# Allegro board 8880F5-0824_updates.brd (continued)
## Routing (per net, layer and track width the routed paths; a pad name or vN(x,y) marks a point on that pad's centre or on a via; arc(x,y) is an arc through that point) (continued)
D11105: length 833.7
  TOP w0.086: SITE2.79 343.98,249.63 344.06,249.71 349.2,249.71 350.02,250.53 355.8,250.53 v1(356.24,250.09)
  L07_SIGNAL w0.071: v1(416.45,284.16) 416.92,284.63 416.92,285.01 417.39,285.47 432.2,285.47 440.07,293.33 440.07,364.65 422.34,382.38 413,382.38 409.35,378.73 409.35,375.51 D111.05
  L30_SIGNAL w0.071: v1(356.24,250.09) 356.72,250.56 357.26,250.56 358.26,249.56 358.26,243.23 364.37,237.12 397.03,237.12 400.33,240.42 400.33,251.42 401.64,252.73 404.25,252.73 406.14,250.84 406.14,241.66 408.84,238.96 443.57,238.96 450.86,246.25 486.5,246.25 487.97,244.78 553.78,244.78 560.75,251.75 560.75,373.45 542.29,391.91 458.32,391.91 437.4,371 437.4,270.71 420.41,253.72 414.87,253.72 414.05,254.54 414.05,271.29 418.3,275.54 418.3,278.59 420.13,280.43 420.13,284.6 419.17,285.57 417.3,285.57 416.92,285.2 416.92,284.63 v1(416.45,284.16)
D11106: length 833.7
  TOP w0.086: v1(328.93,269.15) 328.55,268.77 328.55,257.86 328.63,257.78 SITE2.116
  L07_SIGNAL w0.071: D111.06 407.78,369.68 406.24,369.68 405.94,369.38 405.94,365.5 407.25,364.2 418.1,364.2 429.76,352.53 429.76,327.88 413.99,312.11 413.99,267.07 414.63,266.43 415.93,266.43 416.67,267.17 416.67,267.69 v1(416.2,268.16)
  L30_SIGNAL w0.071: v1(416.2,268.16) 416.67,268.63 416.67,269.19 417.09,269.62 420.5,269.62 427.99,277.1 427.99,297.73 423.31,302.4 389.65,302.4 385.24,297.99 373.58,297.99 372.07,299.49 372.07,397.82 367.59,402.31 227.37,402.31 225.45,400.38 225.45,364.03 227.96,361.52 269.12,361.52 270.28,362.68 270.28,363.4 269.63,364.05 239.66,364.05 239.04,364.66 239.04,365.73 239.58,366.27 273.87,366.27 278.44,370.84 305.28,370.84 310.3,365.83 349.21,365.83 352.16,362.88 352.16,354.69 356.17,350.69 356.17,328.18 328.18,300.19 328.18,286.24 329.59,284.83 329.59,279.95 328.46,278.82 328.46,269.62 v1(328.93,269.15)
D11107: length 833.7
  TOP w0.086: v1(356.24,251.23) 355.78,250.77 349.92,250.77 349.1,249.95 344.06,249.95 343.98,250.03 SITE2.80
  L07_SIGNAL w0.071: v1(417.6,284.16) 417.12,284.63 417.12,284.92 417.47,285.27 432.29,285.27 440.27,293.25 440.27,364.73 422.42,382.58 412.91,382.58 409.15,378.82 409.15,376.03 407.99,374.86 407.88,374.86 D111.07
  L30_SIGNAL w0.071: v1(356.24,251.23) 356.72,250.76 357.34,250.76 358.46,249.64 358.46,243.31 364.46,237.32 396.95,237.32 400.13,240.5 400.13,251.5 401.56,252.93 404.33,252.93 406.34,250.92 406.34,241.74 408.93,239.16 443.49,239.16 450.78,246.45 486.58,246.45 488.05,244.98 553.69,244.98 560.55,251.84 560.55,373.37 542.21,391.71 458.4,391.71 437.6,370.92 437.6,270.63 420.49,253.52 414.79,253.52 413.85,254.46 413.85,271.37 418.1,275.62 418.1,278.68 419.93,280.51 419.93,284.52 419.08,285.37 417.38,285.37 417.12,285.12 417.12,284.64 v1(417.6,284.16)
D11108: length 833.7
  TOP w0.086: v1(327.79,269.15) 328.31,268.63 328.31,257.86 328.23,257.78 SITE2.117
  L07_SIGNAL w0.071: D111.08 405.75,368.95 405.75,368.85 405.75,365.42 407.17,364 418.02,364 429.56,352.45 429.56,327.96 413.79,312.19 413.79,266.99 414.55,266.23 416.01,266.23 416.87,267.09 416.87,267.69 v1(417.34,268.16)
  L30_SIGNAL w0.071: v1(327.79,269.15) 328.26,269.62 328.26,278.9 329.39,280.03 329.39,284.75 327.98,286.16 327.98,300.28 355.97,328.27 355.97,350.61 351.97,354.61 351.97,362.79 349.13,365.63 310.22,365.63 305.2,370.64 278.52,370.64 273.95,366.07 239.67,366.07 239.24,365.65 239.24,364.74 239.74,364.24 269.71,364.24 270.48,363.48 270.48,362.6 269.2,361.32 227.88,361.32 225.25,363.95 225.25,400.47 227.29,402.51 367.67,402.51 372.27,397.9 372.27,299.58 373.66,298.19 385.15,298.19 389.57,302.6 423.39,302.6 428.19,297.81 428.19,277.02 420.58,269.42 417.18,269.42 416.87,269.11 416.87,268.63 v1(417.34,268.16)
D11109: length 833.7
  TOP w0.086: v1(338,267.21) 337.55,266.76 337.55,264.67 334.95,262.07 334.95,257.86 335.03,257.78 SITE2.100
  L05_SIGNAL w0.071: D111.09 399.47,375.23 399.47,375.33 399.47,379.03 397.73,380.77 377.95,380.77 373.21,376.03 373.21,325.92 393.3,305.83 393.3,287.15 391.43,285.28 390.14,285.28 389.49,284.63 389.49,284.38 v1(389.02,283.91)
  L32_SIGNAL w0.071: v1(389.02,283.91) 389.48,283.45 389.48,282.85 388.8,282.17 387.45,282.17 386.34,283.28 386.34,292.25 387.04,292.94 429.65,292.94 443.48,306.77 559.88,306.77 571.5,318.39 571.5,382.32 567.36,386.46 366.02,386.46 358.18,378.62 358.18,299.68 367.38,290.48 367.38,280.97 363.57,277.17 318.65,277.17 314.77,273.29 314.77,268.64 320.43,262.97 336.26,262.97 337.53,264.24 337.53,266.74 v1(338,267.21)
D11111: length 833.7
  TOP w0.086: SITE2.101 334.63,257.78 334.71,257.86 334.71,262.17 337.31,264.77 337.31,266.76 v1(336.85,267.21)
  L05_SIGNAL w0.071: v1(390.16,283.91) 389.69,284.38 389.69,284.55 390.22,285.08 391.51,285.08 393.5,287.07 393.5,305.91 373.41,326 373.41,375.95 378.03,380.58 397.65,380.58 399.27,378.95 399.27,375.05 399.03,374.81 397.67,374.81 D111.11
  L32_SIGNAL w0.071: v1(336.85,267.21) 337.33,266.74 337.33,264.32 336.18,263.17 320.52,263.17 314.97,268.72 314.97,273.21 318.73,276.97 363.66,276.97 367.58,280.89 367.58,290.56 358.38,299.76 358.38,378.54 366.1,386.26 567.28,386.26 571.3,382.24 571.3,318.47 559.79,306.97 443.4,306.97 429.57,293.14 386.95,293.14 386.15,292.33 386.15,283.2 387.37,281.98 388.89,281.98 389.67,282.76 389.67,283.42 v1(390.16,283.91)
D11113: length 833.7
  TOP w0.086: SITE2.102 334.23,257.78 334.15,257.86 334.15,262.58 335.64,264.07 335.64,268.51 v1(336.07,268.93)
  L05_SIGNAL w0.071: D111.13 388.7,375.84 388.7,377.96 387.11,379.55 379.28,379.55 374.81,375.09 374.81,326.78 394.2,307.39 394.2,273.73 392.45,271.98 390.31,271.98 389.49,271.16 389.49,270.79 v1(389.02,270.32)
  L32_SIGNAL w0.071: v1(336.07,268.93) 335.6,269.4 335.6,272.83 337.06,274.29 367.16,274.29 372.49,279.62 372.49,283.16 374.23,284.9 377.77,284.9 378.82,285.95 378.82,287.79 377.99,288.63 377.99,290.74 373.32,295.4 373.32,338.58 379.45,344.71 421.02,344.71 430.64,354.32 543.52,354.32 545.88,356.68 545.88,364.9 543.06,367.72 505.73,367.72 502.47,370.98 502.47,375.69 504.73,377.95 556.09,377.95 562.99,371.06 562.99,320.8 554.86,312.68 400.21,312.68 385.81,298.28 385.81,295.13 384.3,293.62 384.3,274.98 387.23,272.05 389.29,272.05 389.49,271.84 389.49,270.79 v1(389.02,270.32)
D11115: length 833.7
  TOP w0.086: v1(334.93,268.93) 335.4,268.46 335.4,264.17 333.91,262.68 333.91,257.86 333.83,257.78 SITE2.103
  L05_SIGNAL w0.071: D111.15 388.5,375.8 388.5,377.88 387.03,379.36 379.37,379.36 375.01,375 375.01,326.86 394.4,307.48 394.4,273.65 392.53,271.78 390.39,271.78 389.69,271.08 389.69,270.79 v1(390.16,270.32)
  L32_SIGNAL w0.071: v1(390.16,270.32) 389.69,270.79 389.69,271.93 389.37,272.24 387.31,272.24 384.5,275.06 384.5,293.53 386.01,295.05 386.01,298.2 400.29,312.48 554.94,312.48 563.18,320.72 563.18,371.14 556.17,378.15 504.65,378.15 502.27,375.78 502.27,370.9 505.65,367.52 542.98,367.52 545.68,364.82 545.68,356.77 543.43,354.52 430.55,354.52 420.94,344.91 379.36,344.91 373.12,338.67 373.12,295.32 377.79,290.65 377.79,288.54 378.62,287.71 378.62,286.03 377.69,285.1 374.15,285.1 372.29,283.24 372.29,279.71 367.07,274.49 336.98,274.49 335.4,272.91 335.4,269.4 v1(334.93,268.93)
D11201: length 833.7
  TOP w0.086: SITE2.140 317.68,250.43 317.6,250.35 313.87,250.35 311.52,252.7 308.04,252.7 v1(307.6,253.14)
  L05_SIGNAL w0.071: D112.01 420.22,395.12 419.31,395.12 418.65,395.78 418.65,398.31 420.44,400.1 433.44,400.1 450.58,382.96 450.58,352.68 458.52,344.74 484.39,344.74 490.06,350.41 490.06,387.12 503.7,400.75 522.51,400.75 531.83,391.43 531.83,316.58 536.26,312.14 543.21,312.14 547.24,316.17 547.24,398.84 553.08,404.69 563.61,404.69 570.39,397.91 570.39,268.51 566.49,264.62 470.17,264.62 467.06,261.51 431.39,261.51 423.57,253.69 417.35,253.69 416.92,253.26 416.92,252.38 v1(416.45,251.9)
  L32_SIGNAL w0.071: v1(307.6,253.14) 308.07,252.67 324.67,252.67 325.91,251.43 354.39,251.43 355.66,252.69 357.39,252.69 359.63,250.46 362.06,250.46 364.91,247.6 414.4,247.6 416.92,250.12 416.92,251.43 v1(416.45,251.9)
D11202: length 833.7
  TOP w0.086: SITE2.120 327.03,257.78 326.95,257.86 326.95,262.28 326.61,262.62 326.61,270.41 v1(327.07,270.87)
  L07_SIGNAL w0.071: D112.02 417.65,389.71 416.5,389.71 415.89,389.1 415.89,386.81 417.27,385.44 426.42,385.44 444.34,367.51 444.34,278.36 422.29,256.3 414.85,256.3 413.39,254.85 413.39,253.59 413.8,253.18 416.34,253.18 416.67,253.51 416.67,254.1 v1(416.2,254.57)
  L30_SIGNAL w0.071: v1(416.2,254.57) 416.67,255.04 416.67,256.08 417.38,256.79 421.22,256.79 430.07,265.64 430.07,297.11 423.16,304.03 387.74,304.03 382.65,298.94 374,298.94 373.4,299.54 373.4,399.55 368.74,404.21 227.37,404.21 224.3,401.14 224.3,362.72 227.1,359.92 269.99,359.92 279.76,369.69 305.24,369.69 311.19,363.74 344.23,363.74 351.02,356.94 351.02,353.73 353.5,351.25 353.5,328.66 325.34,300.5 325.34,286 326.6,284.75 326.6,271.34 v1(327.07,270.87)
D11203: length 833.7
  TOP w0.086: v1(307.6,252) 308.06,252.46 311.43,252.46 313.78,250.11 317.6,250.11 317.68,250.03 SITE2.141
  L05_SIGNAL w0.071: v1(417.6,251.9) 417.12,252.38 417.12,253.18 417.44,253.49 423.65,253.49 431.47,261.31 467.14,261.31 470.25,264.42 566.57,264.42 570.58,268.43 570.58,397.99 563.69,404.88 553,404.88 547.04,398.92 547.04,316.25 543.13,312.34 536.34,312.34 532.02,316.66 532.02,391.52 522.59,400.95 503.62,400.95 489.87,387.2 489.87,350.49 484.31,344.93 458.61,344.93 450.78,352.76 450.78,383.04 433.52,400.29 420.36,400.29 418.46,398.39 418.46,395.6 D112.03
  L32_SIGNAL w0.071: v1(417.6,251.9) 417.12,251.43 417.12,250.04 414.49,247.4 364.83,247.4 361.97,250.26 359.55,250.26 357.31,252.5 355.74,252.5 354.47,251.23 325.83,251.23 324.59,252.47 308.07,252.47 v1(307.6,252)
D11204: length 833.7
  TOP w0.086: v1(325.93,270.87) 326.38,270.42 326.38,262.52 326.71,262.19 326.71,257.86 326.63,257.78 SITE2.121
  L07_SIGNAL w0.071: v1(417.34,254.57) 416.87,254.1 416.87,253.43 416.43,252.99 413.71,252.99 413.19,253.51 413.19,254.93 414.76,256.5 422.21,256.5 444.14,278.44 444.14,367.43 426.33,385.24 417.19,385.24 415.69,386.73 415.69,389.49 D112.04
  L30_SIGNAL w0.071: v1(325.93,270.87) 326.4,271.34 326.4,284.66 325.15,285.92 325.15,300.58 353.31,328.74 353.31,351.17 350.82,353.65 350.82,356.86 344.14,363.54 311.11,363.54 305.16,369.49 279.85,369.49 270.07,359.72 227.02,359.72 224.1,362.64 224.1,401.22 227.29,404.41 368.82,404.41 373.6,399.63 373.6,299.62 374.08,299.14 382.57,299.14 387.66,304.22 423.24,304.22 430.27,297.2 430.27,265.55 421.31,256.6 417.46,256.6 416.87,256 416.87,255.04 v1(417.34,254.57)
D11205: length 833.7
  TOP w0.086: SITE2.142 317.68,249.63 317.6,249.55 313.04,249.55 311.83,250.76 304.76,250.76 v1(304.31,251.21)
  L05_SIGNAL w0.071: D112.05 410.3,394.88 409.19,394.88 408.64,395.43 408.64,398.6 417.61,407.57 502.75,407.57 505.23,410.05 505.23,415.36 502.69,417.89 420.82,417.89 418.78,419.94 418.78,424.07 421.04,426.34 565.57,426.34 573.47,418.43 573.47,260.96 567.37,254.86 529.69,254.86 528.25,256.3 433.53,256.3 416.92,239.69 416.92,238.79 v1(416.45,238.32)
  L32_SIGNAL w0.071: v1(304.31,251.21) 304.78,250.74 305.02,250.74 306.67,249.09 306.67,243.09 308.96,240.81 315.17,240.81 316.99,238.98 324.58,238.98 327.18,236.39 327.18,235.55 328.47,234.26 364.11,234.26 365.03,235.18 368.67,235.18 369.68,234.17 414.88,234.17 416.92,236.22 416.92,237.84 v1(416.45,238.32)
D11206: length 833.7
  TOP w0.086: v1(359.29,252.02) 358.8,252.51 349.46,252.51 347.46,250.51 344.06,250.51 343.98,250.43 SITE2.81
  L07_SIGNAL w0.071: v1(416.45,270.57) 416.92,270.1 416.92,269.53 417.42,269.03 425.07,269.03 442.71,286.67 442.71,367.37 425.71,384.36 407.38,384.36 406.81,384.93 406.81,388.91 408.94,391.04 D112.06
  L30_SIGNAL w0.071: v1(416.45,270.57) 416.92,271.05 416.92,271.94 421.9,276.91 421.9,298.04 418.5,301.44 410.93,301.44 407.73,298.24 407.73,256.74 411.7,252.77 411.7,248.83 412.39,248.14 430,248.14 444.85,263 444.85,338.63 454.51,348.28 541.76,348.28 553.52,336.52 553.52,297.8 554.43,296.89 554.43,256.03 550.85,252.45 451.19,252.45 441.66,242.92 411.34,242.92 409.74,244.52 409.74,252.36 405.66,256.45 397.96,256.45 397.51,256.91 397.51,266.07 394.71,268.86 382.25,268.86 380.29,266.91 380.29,252.39 377.89,249.99 365.39,249.99 362.88,252.49 359.76,252.49 v1(359.29,252.02)
D11207: length 833.7
  TOP w0.086: SITE2.143 317.68,249.23 317.6,249.31 312.94,249.31 311.73,250.52 304.76,250.52 v1(304.31,250.07)
  L05_SIGNAL w0.071: v1(417.6,238.32) 417.12,238.79 417.12,239.61 433.62,256.1 528.17,256.1 529.61,254.66 567.45,254.66 573.67,260.88 573.67,418.51 565.65,426.53 420.96,426.53 418.58,424.16 418.58,419.86 420.74,417.69 502.61,417.69 505.03,415.27 505.03,410.13 502.67,407.77 417.53,407.77 408.44,398.68 408.44,395.74 D112.07
  L32_SIGNAL w0.071: v1(304.31,250.07) 304.78,250.54 304.94,250.54 306.47,249.01 306.47,243.01 308.87,240.61 315.09,240.61 316.91,238.79 324.5,238.79 326.98,236.31 326.98,235.47 328.38,234.06 364.19,234.06 365.11,234.98 368.59,234.98 369.6,233.97 414.96,233.97 417.12,236.14 417.12,237.84 v1(417.6,238.32)
D11208: length 833.7
  TOP w0.086: v1(359.29,253.16) 358.88,252.75 349.36,252.75 347.37,250.75 344.06,250.75 343.98,250.83 SITE2.82
  L07_SIGNAL w0.071: D112.08 404.99,390.03 405.16,390.03 406.61,388.58 406.61,384.85 407.3,384.16 425.63,384.16 442.51,367.28 442.51,286.75 424.98,269.23 417.5,269.23 417.12,269.61 417.12,270.1 v1(417.6,270.57)
  L30_SIGNAL w0.071: v1(417.6,270.57) 417.12,271.05 417.12,271.86 422.1,276.83 422.1,298.13 418.58,301.64 410.85,301.64 407.53,298.32 407.53,256.66 411.5,252.69 411.5,248.75 412.3,247.94 430.08,247.94 445.05,262.92 445.05,338.55 454.59,348.08 541.67,348.08 553.32,336.43 553.32,297.71 554.23,296.8 554.23,256.11 550.77,252.65 451.11,252.65 441.58,243.12 411.42,243.12 409.94,244.6 409.94,252.45 405.74,256.65 398.05,256.65 397.7,256.99 397.7,266.15 394.79,269.06 382.16,269.06 380.1,266.99 380.1,252.47 377.81,250.18 365.47,250.18 362.97,252.69 359.76,252.69 v1(359.29,253.16)
D11209: length 833.7
  TOP w0.086: v1(325.14,269.15) 324.69,268.7 324.69,263.17 326.15,261.71 326.15,257.86 326.23,257.78 SITE2.122
  L07_SIGNAL w0.071: D112.09 398.86,396.16 398.86,398.9 393.7,404.07 378.74,404.07 359.89,385.21 359.89,330.13 380.69,309.33 380.69,271.8 378.24,269.35 376.14,269.35 375.78,268.98 375.78,268.38 v1(375.3,267.91)
  L30_SIGNAL w0.071: v1(375.3,267.91) 375.78,267.43 375.78,266.69 375.51,266.42 373.68,266.42 370.84,269.26 370.84,297.43 369.19,299.08 369.19,395.88 365.98,399.09 233.16,399.09 229.46,395.38 229.46,376.6 232.07,373.98 287.1,373.98 287.57,374.46 287.57,375.86 286.99,376.44 275.66,376.44 275.26,376.84 275.26,377.24 275.65,377.63 348.81,377.63 354.71,371.72 354.71,355.64 359.58,350.77 359.58,327.48 331.49,299.4 331.49,275.91 335.52,271.89 353.18,271.89 356.02,269.06 356.02,262.55 352.27,258.8 336.81,258.8 332.24,263.36 326.48,263.36 324.67,265.18 324.67,268.68 v1(325.14,269.15)
D11210: length 833.7
  TOP w0.086: SITE2.114 329.43,257.78 329.35,257.86 329.35,267.06 330.46,268.18 330.46,270.4 v1(330.93,270.87)
  L05_SIGNAL w0.071: D112.10 397.74,390.12 396.38,390.12 395.72,389.46 395.72,384.73 393.25,382.27 377.39,382.27 371.6,376.47 371.6,325.49 386.05,311.04 386.05,286.81 387.65,285.21 389.27,285.21 389.49,285.43 389.49,285.85 v1(389.02,286.32)
  L30_SIGNAL w0.071: v1(389.02,286.32) 389.49,286.79 389.49,287.73 389.12,288.1 387.21,288.1 386.53,288.78 386.53,294.52 385.24,295.8 373.93,295.8 370.41,299.32 370.41,396.52 366.53,400.4 229.28,400.4 226.81,397.92 226.81,365.11 227.74,364.18 236.7,364.18 237.06,364.53 237.06,365.46 236.6,365.92 228.6,365.92 227.91,366.6 227.91,367.39 228.54,368.02 272.56,368.02 272.86,368.32 272.86,369.03 272.52,369.38 228.91,369.38 227.91,370.38 227.91,371.36 228.96,372.41 297.43,372.41 297.89,372.88 297.89,373.63 297.41,374.11 289.34,374.11 288.66,374.79 288.66,375.93 289.32,376.59 298.11,376.59 302.29,372.41 310.19,372.41 311.3,371.3 311.3,368.2 312.55,366.95 350.42,366.95 353.48,363.89 353.48,355.4 358.19,350.69 358.19,327.8 329.89,299.5 329.89,287.27 330.46,286.7 330.46,271.34 v1(330.93,270.87)
D11211: length 833.7
  TOP w0.086: SITE2.123 325.83,257.78 325.91,257.86 325.91,261.61 324.46,263.07 324.46,268.69 v1(324,269.15)
  L07_SIGNAL w0.071: D112.11 398.66,396.12 398.66,398.82 393.61,403.87 378.83,403.87 360.09,385.13 360.09,330.21 380.89,309.41 380.89,271.72 378.32,269.15 376.23,269.15 375.98,268.9 375.98,268.38 v1(376.45,267.91)
  L30_SIGNAL w0.071: v1(376.45,267.91) 375.97,267.43 375.97,266.6 375.59,266.22 373.59,266.22 370.64,269.18 370.64,297.35 368.99,299 368.99,395.8 365.9,398.89 233.25,398.89 229.65,395.3 229.65,376.68 232.16,374.18 287.01,374.18 287.37,374.54 287.37,375.78 286.91,376.25 275.58,376.25 275.06,376.76 275.06,377.32 275.57,377.82 348.89,377.82 354.91,371.8 354.91,355.72 359.78,350.86 359.78,327.4 331.69,299.32 331.69,276 335.6,272.09 353.26,272.09 356.21,269.14 356.21,262.47 352.35,258.6 336.73,258.6 332.16,263.17 326.4,263.17 324.47,265.1 324.47,268.68 v1(324,269.15)
D11212: length 833.7
  TOP w0.086: v1(329.79,270.87) 330.22,270.43 330.22,268.28 329.11,267.16 329.11,257.86 329.03,257.78 SITE2.115
  L05_SIGNAL w0.071: D112.12 395.52,389.34 395.52,384.82 393.17,382.47 377.31,382.47 371.4,376.56 371.4,325.41 385.85,310.95 385.85,286.72 387.56,285.01 389.35,285.01 389.69,285.35 389.69,285.85 v1(390.16,286.32)
  L30_SIGNAL w0.071: v1(329.79,270.87) 330.26,271.34 330.26,286.62 329.69,287.19 329.69,299.58 357.99,327.88 357.99,350.61 353.28,355.32 353.28,363.81 350.34,366.75 312.47,366.75 311.11,368.11 311.11,371.21 310.11,372.21 302.21,372.21 298.03,376.39 289.41,376.39 288.86,375.85 288.86,374.88 289.42,374.31 297.49,374.31 298.09,373.71 298.09,372.8 297.51,372.21 229.05,372.21 228.11,371.27 228.11,370.46 228.99,369.58 272.6,369.58 273.06,369.12 273.06,368.23 272.65,367.82 228.62,367.82 228.11,367.31 228.11,366.68 228.68,366.12 236.68,366.12 237.26,365.54 237.26,364.45 236.79,363.98 227.66,363.98 226.61,365.03 226.61,398.01 229.2,400.6 366.61,400.6 370.61,396.6 370.61,299.4 374.01,296 385.33,296 386.73,294.6 386.73,288.86 387.29,288.3 389.2,288.3 389.69,287.81 389.69,286.79 v1(390.16,286.32)
D11213: length 833.7
  TOP w0.086: v1(307.6,257.38) 308.04,256.95 311.86,256.95 316.46,252.35 317.6,252.35 317.68,252.43 SITE2.135
  L05_SIGNAL w0.071: D112.13 389.02,395.84 389.02,400.43 371.02,418.43 204.33,418.43 197.95,424.81 138.65,424.81 131.83,417.99 131.83,409.57 139.09,402.31 165.81,402.31 168.09,400.04 168.09,395.57 166.24,393.72 131.4,393.72 127.42,389.74 127.42,379.55 129.93,377.05 219.34,377.05 226.96,369.43 349.63,369.43 368.12,350.94 368.12,323.89 380.73,311.28 380.73,254.51 379.48,253.27 376.29,253.27 375.78,252.76 375.78,252.38 v1(375.3,251.9)
  L32_SIGNAL w0.071: v1(307.6,257.38) 308.07,256.91 354.09,256.91 354.48,256.52 357.31,256.52 359.51,258.72 364.92,258.72 373.63,250.01 375.26,250.01 375.78,250.53 375.78,251.43 v1(375.3,251.9)
D11214: length 833.7
  TOP w0.086: v1(304.31,255.45) 304.75,255.01 312.43,255.01 315.88,251.55 317.6,251.55 317.68,251.63 SITE2.137
  L05_SIGNAL w0.071: D112.14 386.4,388.94 386.4,385.94 384.09,383.62 375.48,383.62 373.96,385.14 373.96,402.62 359.93,416.64 202.25,416.64 196.85,422.04 148.77,422.04 144.01,417.28 144.01,409.93 147.19,406.74 167.7,406.74 170.4,404.04 170.4,391.34 168.4,389.35 144.03,389.35 141.76,387.08 141.76,383 144.94,379.82 347.11,379.82 369.79,357.14 369.79,324.74 384.61,309.92 384.61,240.96 380.12,236.47 376.69,236.47 375.78,237.38 375.78,237.84 v1(375.3,238.32)
  L32_SIGNAL w0.071: v1(375.3,238.32) 375.78,237.84 375.78,237.26 374.88,236.37 370.11,236.37 363.64,242.83 357.64,242.83 353.43,247.03 350.73,247.03 347.23,250.54 306.56,250.54 305.82,251.28 305.82,254.3 305.14,254.98 304.78,254.98 v1(304.31,255.45)
D11215: length 833.7
  TOP w0.086: v1(307.6,256.24) 308.07,256.71 311.76,256.71 316.36,252.11 317.6,252.11 317.68,252.03 SITE2.136
  L05_SIGNAL w0.071: v1(376.45,251.9) 375.98,252.38 375.98,252.67 376.37,253.07 379.56,253.07 380.92,254.43 380.92,311.36 368.32,323.97 368.32,351.02 349.71,369.63 227.04,369.63 219.42,377.24 130.01,377.24 127.62,379.63 127.62,389.66 131.49,393.52 166.32,393.52 168.28,395.49 168.28,400.12 165.89,402.51 139.17,402.51 132.03,409.65 132.03,417.9 138.73,424.61 197.87,424.61 204.25,418.23 370.94,418.23 388.83,400.34 388.83,396.34 388.02,395.53 387.91,395.53 D112.15
  L32_SIGNAL w0.071: v1(376.45,251.9) 375.98,251.43 375.98,250.45 375.34,249.81 373.55,249.81 364.83,258.53 359.59,258.53 357.39,256.32 354.4,256.32 354.01,256.71 308.07,256.71 v1(307.6,256.24)
D11216: length 833.7
  TOP w0.086: v1(304.31,254.31) 304.76,254.77 312.33,254.77 315.78,251.31 317.6,251.31 317.68,251.23 SITE2.138
  L05_SIGNAL w0.071: v1(376.45,238.32) 375.98,237.84 375.98,237.46 376.77,236.67 380.04,236.67 384.41,241.04 384.41,309.84 369.59,324.65 369.59,357.05 347.03,379.62 144.86,379.62 141.56,382.91 141.56,387.16 143.95,389.55 168.32,389.55 170.2,391.43 170.2,403.96 167.62,406.54 147.11,406.54 143.81,409.85 143.81,417.36 148.69,422.24 196.93,422.24 202.33,416.84 360.02,416.84 374.15,402.7 374.15,385.22 375.56,383.82 384,383.82 386.21,386.02 386.21,388.74 384.85,390.1 384.6,390.1 D112.16
  L32_SIGNAL w0.071: v1(376.45,238.32) 375.98,237.84 375.98,237.18 374.96,236.17 370.02,236.17 363.56,242.63 357.55,242.63 353.35,246.83 350.65,246.83 347.15,250.34 306.48,250.34 305.62,251.2 305.62,254.22 305.06,254.78 304.78,254.78 v1(304.31,254.31)
D11301: length 413.5
  TOP w0.086: v1(305.39,236.18) 305.85,236.63 314.38,236.63 315.46,237.71 317.6,237.71 317.68,237.63 SITE2.172
  L03_SIGNAL w0.071: v1(383.31,219.9) 382.83,219.43 382.83,218.88 381.94,217.99 381.94,215.99 380.19,214.25 367.22,214.25 358.94,222.53 358.94,226.38 354.36,230.97 344.88,230.97 341.37,234.47 341.37,246.61 356.45,261.68 359.95,261.68 362.16,259.46 362.16,225.04 368.39,218.81 378.5,218.81 380.64,220.95 380.64,301.99 366.38,316.24 366.38,335.07 360.04,341.42 348.53,341.42 345.19,338.08 345.19,334.3 345.33,334.16 346.56,334.16 D113.01
  L28_SIGNAL w0.071: v1(383.31,219.9) 382.83,219.43 382.83,218.74 383.25,218.33 383.88,218.33 384.39,218.84 384.39,225.2 378.67,230.92 342.22,230.92 338.98,234.16 323.23,234.16 320.74,236.65 305.87,236.65 v1(305.39,236.18)
D11302: length 457
  TOP w0.086: SITE2.8 325.03,231.48 324.95,231.4 324.95,225.37 319.21,219.63 v1(319.21,218.99)
  L03_SIGNAL w0.071: D113.02 343.82,328.58 343.82,322.24 346.23,319.83 359.75,319.83 379.44,300.14 379.44,221.74 377.88,220.18 370.1,220.18 364.26,226.02 364.26,270.19 359.53,274.92 337.76,274.92 333.78,278.91 333.78,303.93 339.09,309.24 361.38,309.24 370.69,299.93 370.69,237.05 372.59,235.15 372.59,232.47 377.03,228.03 377.03,224.49 375.98,223.44 375.98,222.28 v1(376.45,221.81)
  L28_SIGNAL w0.071: v1(376.45,221.81) 376.05,221.81 375.98,221.73 375.98,219.5 374.13,217.66 340.52,217.66 337.31,220.86 320.41,220.86 319.21,219.66 v1(319.21,218.99)
D11303: length 413.5
  TOP w0.086: SITE2.171 317.68,238.03 317.6,237.95 315.37,237.95 314.29,236.87 305.85,236.87 v1(305.39,237.32)
  L03_SIGNAL w0.071: v1(382.16,219.9) 382.63,219.43 382.63,218.96 381.74,218.07 381.74,216.08 380.11,214.45 367.31,214.45 359.14,222.61 359.14,226.46 354.44,231.17 344.96,231.17 341.57,234.55 341.57,246.52 356.53,261.48 359.86,261.48 361.96,259.38 361.96,224.95 368.31,218.61 378.58,218.61 380.83,220.86 380.83,302.07 366.58,316.32 366.58,335.15 360.12,341.61 348.45,341.61 344.99,338.16 344.99,334.83 D113.03
  L28_SIGNAL w0.071: v1(305.39,237.32) 305.87,236.85 320.82,236.85 323.31,234.36 339.06,234.36 342.3,231.12 378.75,231.12 384.59,225.28 384.59,218.76 383.96,218.13 383.17,218.13 382.63,218.66 382.63,219.43 v1(382.16,219.9)
D11304: length 457
  TOP w0.086: SITE2.7 324.63,231.48 324.71,231.4 324.71,225.47 319.04,219.8 v1(318.4,219.8)
  L03_SIGNAL w0.071: v1(375.3,221.81) 375.78,222.28 375.78,223.52 376.83,224.58 376.83,227.94 372.39,232.39 372.39,235.07 370.49,236.96 370.49,299.84 361.29,309.04 339.17,309.04 333.98,303.84 333.98,278.99 337.84,275.12 359.61,275.12 364.45,270.28 364.45,226.1 370.18,220.38 377.8,220.38 379.24,221.82 379.24,300.05 359.67,319.63 346.15,319.63 343.62,322.15 343.62,328.59 343.02,329.2 341.36,329.2 D113.04
  L28_SIGNAL w0.071: v1(375.3,221.81) 375.71,221.81 375.78,221.73 375.78,219.58 374.05,217.85 340.6,217.85 337.39,221.06 320.33,221.06 319.07,219.8 v1(318.4,219.8)
D11305: length 457
  TOP w0.086: v1(330.13,216.61) 329.68,217.05 329.68,221.65 328.15,223.18 328.15,231.4 328.23,231.48 SITE2.16
  L03_SIGNAL w0.071: D113.05 335.38,335.18 335.38,339.03 339.92,343.57 365.94,343.57 370.39,339.12 370.39,317.73 384.1,304.02 384.1,222.23 385.86,220.46 388.91,220.46 389.69,221.24 389.69,221.59 v1(390.16,222.06)
  L28_SIGNAL w0.071: v1(330.13,216.61) 329.66,217.08 329.66,217.46 329.98,217.78 334.16,217.78 336.94,215 339.9,215 341.15,213.76 360.43,213.76 361.21,212.98 371.58,212.98 373.98,210.59 373.98,202.8 377.24,199.54 406.57,199.54 408.47,201.43 447.14,201.43 450.3,204.59 450.3,248.43 448.25,250.47 423.54,250.47 420.59,247.52 420.59,238.66 409.02,227.09 395.58,227.09 391.48,223 391.48,220.38 390.73,219.63 389.9,219.63 389.69,219.84 389.69,221.59 v1(390.16,222.06)
D11306: length 457
  TOP w0.086: SITE2.6 324.23,231.48 324.15,231.4 324.15,227.37 315.41,218.63 v1(315.41,217.99)
  L03_SIGNAL w0.071: D113.06 333.45,328.37 333.45,317.68 337.34,313.79 359.84,313.79 372.98,300.65 372.98,239.43 375.98,236.43 375.98,235.87 v1(376.45,235.39)
  L28_SIGNAL w0.071: v1(315.41,217.99) 314.74,217.99 313.81,217.06 307.94,217.06 303.24,221.75 303.24,242.15 305.55,244.45 312.41,244.45 313.06,245.1 313.06,246.49 316.87,250.3 332.87,250.3 335.85,253.28 347.44,253.28 350.1,250.61 350.1,241.27 351.79,239.58 362.84,239.58 368.79,245.53 403.06,245.53 407.59,250.06 407.59,299.31 409.44,301.16 412.02,301.16 413.7,299.48 413.7,248.91 408.49,243.7 383.3,243.7 375.97,236.38 375.97,235.87 v1(376.45,235.39)
D11307: length 457
  TOP w0.086: v1(328.99,216.61) 329.45,217.06 329.45,221.55 327.91,223.08 327.91,231.4 327.83,231.48 SITE2.15
  L03_SIGNAL w0.071: v1(389.02,222.06) 389.49,221.59 389.49,221.32 388.83,220.66 385.95,220.66 384.29,222.31 384.29,304.1 370.59,317.81 370.59,339.2 366.02,343.77 339.83,343.77 335.18,339.11 335.18,335.18 D113.07
  L28_SIGNAL w0.071: v1(389.02,222.06) 389.49,221.59 389.49,219.76 389.82,219.43 390.82,219.43 391.68,220.3 391.68,222.92 395.66,226.89 409.1,226.89 420.79,238.58 420.79,247.43 423.63,250.27 448.17,250.27 450.1,248.35 450.1,204.67 447.06,201.63 408.38,201.63 406.49,199.74 377.32,199.74 374.18,202.88 374.18,210.67 371.67,213.18 361.29,213.18 360.51,213.96 341.23,213.96 339.98,215.2 337.02,215.2 334.24,217.98 329.9,217.98 329.46,217.55 329.46,217.08 v1(328.99,216.61)
D11308: length 457
  TOP w0.086: v1(314.6,218.8) 315.24,218.8 323.91,227.47 323.91,231.4 323.83,231.48 SITE2.5
  L03_SIGNAL w0.071: v1(375.3,235.39) 375.78,235.87 375.78,236.35 372.78,239.35 372.78,300.57 359.75,313.59 337.26,313.59 333.25,317.59 333.25,328.55 332.77,329.04 331.36,329.04 D113.08
  L28_SIGNAL w0.071: v1(375.3,235.39) 375.78,235.87 375.78,236.46 383.21,243.9 408.41,243.9 413.5,249 413.5,299.4 411.94,300.96 409.52,300.96 407.79,299.23 407.79,249.97 403.14,245.33 368.88,245.33 362.92,239.38 351.71,239.38 349.9,241.18 349.9,250.53 347.35,253.08 335.93,253.08 332.95,250.1 316.95,250.1 313.26,246.41 313.26,245.02 312.49,244.26 305.63,244.26 303.44,242.06 303.44,221.83 308.02,217.26 313.73,217.26 314.6,218.13 v1(314.6,218.8)
D11402: length 833.7
  TOP w0.086: SITE2.87 343.98,252.83 344.06,252.91 344.57,252.91 349.88,258.23 355.83,258.23 v1(356.24,257.81)
  L05_SIGNAL w0.071: D114.02 344.48,349.56 343.35,349.56 342.57,348.78 342.57,346.42 343.45,345.54 348.75,345.54 354.68,339.61 354.68,326.55 370.83,310.4 370.83,284.43 372.92,282.34 375.74,282.34 376.03,282.63 376.03,283.44 v1(375.56,283.91)
  L30_SIGNAL w0.071: v1(356.24,257.81) 356.72,258.28 357.41,258.28 359.75,260.62 359.75,272.76 355.86,276.65 341.98,276.65 340.8,277.83 340.8,299.06 363.38,321.64 363.38,352.68 357.58,358.47 357.58,373.78 347.86,383.51 287.75,383.51 286.71,384.55 286.71,386.19 287.64,387.12 348.39,387.12 349.23,387.96 349.23,389.01 348.45,389.79 238.85,389.79 237.98,390.66 237.98,391.57 238.8,392.39 354.03,392.39 358.86,387.56 358.86,361.75 365.55,355.06 365.55,298.49 354.27,287.21 354.27,281.72 358.1,277.89 363.85,277.89 366.18,275.55 366.18,254.34 369.66,250.87 377.37,250.87 379.38,252.88 379.38,274.01 372.95,280.44 372.95,284.92 373.49,285.46 375.76,285.46 376.04,285.19 376.04,284.39 v1(375.56,283.91)
D11403: length 833.7
  TOP w0.086: v1(319.3,270.88) 318.85,270.43 318.85,263.79 323.35,259.29 323.35,257.86 323.43,257.78 SITE2.129
  L05_SIGNAL w0.071: D114.03 341.48,354.48 340.59,354.48 339.49,355.59 339.49,357.58 340.71,358.81 349.09,358.81 356.18,351.72 356.18,327.14 372.46,310.86 372.46,289.44 373.84,288.06 375.77,288.06 376.03,287.8 376.03,286.79 v1(375.56,286.32)
  L32_SIGNAL w0.071: v1(319.3,270.88) 318.83,271.35 318.83,273.64 320.4,275.21 365.27,275.21 370.86,280.81 370.86,291.93 362.48,300.32 362.48,362.51 381.85,381.88 487.16,381.88 488.42,380.62 488.42,377.87 487.05,376.5 428.57,376.5 426.09,374.02 426.09,368.71 428.29,366.51 541.75,366.51 543.54,364.71 543.54,360.24 541.29,357.99 380.45,357.99 372.26,349.8 372.26,289.2 373.42,288.05 375.6,288.05 376.03,287.61 376.03,286.79 v1(375.56,286.32)
D11404: length 833.7
  TOP w0.086: v1(356.24,258.95) 355.76,258.47 349.78,258.47 344.47,253.15 344.06,253.15 343.98,253.23 SITE2.88
  L05_SIGNAL w0.071: D114.04 342.37,348.51 342.37,348.41 342.37,346.34 343.36,345.34 348.66,345.34 354.48,339.53 354.48,326.47 370.63,310.31 370.63,284.35 372.84,282.14 375.82,282.14 376.23,282.54 376.23,283.44 v1(376.7,283.91)
  L30_SIGNAL w0.071: v1(356.24,258.95) 356.72,258.48 357.33,258.48 359.55,260.7 359.55,272.67 355.78,276.45 341.9,276.45 340.6,277.75 340.6,299.14 363.18,321.72 363.18,352.6 357.38,358.39 357.38,373.7 347.77,383.31 287.67,383.31 286.51,384.47 286.51,386.27 287.56,387.32 348.31,387.32 349.03,388.05 349.03,388.92 348.37,389.59 238.77,389.59 237.79,390.58 237.79,391.66 238.72,392.59 354.12,392.59 359.06,387.64 359.06,361.84 365.75,355.14 365.75,298.41 354.47,287.13 354.47,281.8 358.18,278.08 363.93,278.08 366.38,275.63 366.38,254.42 369.74,251.06 377.29,251.06 379.18,252.96 379.18,273.93 372.75,280.36 372.75,285 373.41,285.66 375.85,285.66 376.23,285.27 376.23,284.38 v1(376.7,283.91)
D11405: length 833.7
  TOP w0.086: v1(318.16,270.88) 318.61,270.43 318.61,263.69 323.11,259.19 323.11,257.86 323.03,257.78 SITE2.130
  L05_SIGNAL w0.071: v1(376.7,286.32) 376.23,286.79 376.23,287.88 375.85,288.26 373.92,288.26 372.66,289.52 372.66,310.94 356.37,327.23 356.37,351.8 349.18,359 340.63,359 339.29,357.66 339.29,354.53 D114.05
  L32_SIGNAL w0.071: v1(318.16,270.88) 318.63,271.35 318.63,273.73 320.31,275.41 365.19,275.41 370.67,280.89 370.67,291.84 362.28,300.23 362.28,362.6 381.76,382.08 487.24,382.08 488.62,380.7 488.62,377.79 487.13,376.3 428.65,376.3 426.29,373.94 426.29,368.79 428.38,366.7 541.83,366.7 543.74,364.8 543.74,360.16 541.37,357.79 380.53,357.79 372.46,349.72 372.46,289.29 373.5,288.24 375.68,288.24 376.23,287.69 376.23,286.79 v1(376.7,286.32)
D11406: length 833.7
  TOP w0.086: v1(323.16,270.88) 322.73,270.45 322.73,263.37 325.35,260.75 325.35,257.86 325.43,257.78 SITE2.124
  L05_SIGNAL w0.071: D114.06 334.13,349.37 332.93,349.37 332.08,348.52 332.08,345.32 334.13,343.28 346.83,343.28 352.38,337.73 352.38,326.41 367.58,311.21 367.58,267.73 367.28,267.43 367.28,255.88 370.21,252.95 375.2,252.95 375.78,253.53 375.78,253.85 v1(375.3,254.32)
  L30_SIGNAL w0.071: v1(323.16,270.88) 322.69,270.41 322.69,263.87 329.25,257.31 352.89,257.31 357.52,261.93 357.52,271.81 355.19,274.13 336.26,274.13 333.53,276.87 333.53,299.89 360.78,327.14 360.78,350.87 355.9,355.75 355.9,372.57 349.51,378.96 237.59,378.96 237.02,379.53 237.02,381.29 238.08,382.36 280.5,382.36 281.14,382.99 281.14,384.87 280.49,385.52 238.23,385.52 235.91,387.84 235.91,392.83 237.95,394.86 354.42,394.86 360.32,388.97 360.32,364.37 367.42,357.27 367.42,256.25 370.73,252.94 375.42,252.94 375.77,253.28 375.77,253.85 v1(375.3,254.32)
D11407: length 833.7
  TOP w0.086: v1(321.28,269.15) 320.83,268.7 320.83,263.34 324.55,259.62 324.55,257.86 324.63,257.78 SITE2.126
  L07_SIGNAL w0.071: v1(375.56,299.91) 376.03,300.38 376.03,309.45 357.55,327.93 357.55,354.02 350.09,361.48 331.58,361.48 329.39,359.29 329.39,355.44 330.69,354.23 331.57,354.23 D114.07
  L30_SIGNAL w0.071: v1(375.56,299.91) 376.03,300.39 376.03,401.02 369.88,407.17 138.3,407.17 130.48,399.35 130.48,367.62 140.12,357.97 270.99,357.97 281.43,368.41 303.59,368.41 313.6,358.4 347.57,358.4 350.15,355.82 350.15,328.62 320.81,299.29 320.81,269.62 v1(321.28,269.15)
D11408: length 833.7
  TOP w0.086: v1(322.02,270.88) 322.49,270.41 322.49,263.28 325.11,260.65 325.11,257.86 325.03,257.78 SITE2.125
  L05_SIGNAL w0.071: v1(376.45,254.32) 375.98,253.85 375.98,253.45 375.28,252.76 370.13,252.76 367.08,255.8 367.08,267.51 367.38,267.81 367.38,311.13 352.18,326.33 352.18,337.65 346.75,343.08 334.04,343.08 331.88,345.24 331.88,348.84 D114.08
  L30_SIGNAL w0.071: v1(376.45,254.32) 375.97,253.84 375.97,253.2 375.51,252.74 370.64,252.74 367.22,256.17 367.22,357.18 360.12,364.28 360.12,388.89 354.34,394.67 238.03,394.67 236.11,392.75 236.11,387.92 238.32,385.72 280.57,385.72 281.34,384.95 281.34,382.91 280.58,382.16 238.17,382.16 237.21,381.21 237.21,379.61 237.67,379.16 349.59,379.16 356.1,372.65 356.1,355.83 360.98,350.95 360.98,327.06 333.73,299.8 333.73,276.95 336.35,274.33 355.27,274.33 357.71,271.89 357.71,261.85 352.98,257.11 329.16,257.11 322.49,263.79 322.49,270.41 v1(322.02,270.88)
D11409: length 833.7
  TOP w0.086: v1(320.14,269.15) 320.59,268.7 320.59,263.24 324.31,259.52 324.31,257.86 324.23,257.78 SITE2.127
  L07_SIGNAL w0.071: D114.09 329.19,354.59 329.19,359.37 331.5,361.68 350.18,361.68 357.75,354.11 357.75,328.01 376.23,309.53 376.23,300.38 v1(376.7,299.91)
  L30_SIGNAL w0.071: v1(376.7,299.91) 376.23,300.38 376.23,401.11 369.96,407.37 138.22,407.37 130.28,399.44 130.28,367.53 140.04,357.78 271.08,357.78 281.52,368.22 303.5,368.22 313.52,358.2 347.48,358.2 349.95,355.74 349.95,328.7 320.61,299.37 320.61,269.62 v1(320.14,269.15)
D11411: length 833.7
  TOP w0.086: SITE2.89 339.43,257.78 339.35,257.86 339.35,258.16 345.32,264.13 345.32,265.52 347.21,267.41 347.21,268.5 v1(347.64,268.93)
  L05_SIGNAL w0.071: v1(375.56,270.32) 376.03,270.79 376.03,271.15 376.69,271.81 378.79,271.81 379.49,272.51 379.49,308.29 359,328.78 359,356.87 349.58,366.28 15.51,366.28 13.63,364.41 13.63,349.2 16.64,346.19 151,346.19 156.34,351.54 290.94,351.54 299.89,360.49 318.21,360.49 319.47,359.22 319.47,354.85 319.96,354.35 321.29,354.35 D114.11
  L32_SIGNAL w0.071: v1(347.64,268.93) 347.17,268.46 347.17,268.24 347.26,268.16 347.62,268.16 349.79,270.33 356.17,270.33 357.56,268.94 375.48,268.94 376.03,269.49 376.03,269.85 v1(375.56,270.32)
D11413: length 833.7
  TOP w0.086: v1(346.5,268.93) 346.97,268.46 346.97,267.51 345.08,265.62 345.08,264.23 339.11,258.26 339.11,257.86 339.03,257.78 SITE2.90
  L05_SIGNAL w0.071: D114.13 319.27,354.83 319.27,359.14 318.12,360.29 299.97,360.29 291.02,351.34 156.42,351.34 151.08,346 16.56,346 13.43,349.12 13.43,364.49 15.42,366.48 349.67,366.48 359.2,356.95 359.2,328.86 379.69,308.37 379.69,272.43 378.87,271.61 376.77,271.61 376.23,271.07 376.23,270.79 v1(376.7,270.32)
  L32_SIGNAL w0.071: v1(346.5,268.93) 346.97,268.46 346.97,268.16 347.18,267.96 347.7,267.96 349.87,270.13 356.09,270.13 357.48,268.74 375.56,268.74 376.23,269.4 376.23,269.85 v1(376.7,270.32)
D11901: length 833.7
  TOP w0.086: SITE3.116 248.63,197.78 248.55,197.86 248.55,208.77 v1(248.93,209.15)
  L07_SIGNAL w0.071: v1(178.5,203.56) 178.97,203.09 179.52,203.09 179.96,202.65 179.96,200.25 178.26,198.56 167.54,198.56 145.39,176.4 145.39,52.25 151,46.63 159.94,46.63 162.33,49.03 162.33,53.57 D119.01
  L30_SIGNAL w0.071: v1(248.93,209.15) 248.46,208.68 248.46,201.64 241.51,194.68 226.33,194.68 224.34,196.67 220.47,196.67 218.06,194.26 160.97,194.26 148.36,181.64 107.16,181.64 105.56,180.04 86.38,180.04 82.22,175.88 44.84,175.88 35.71,185 35.71,199.83 36.24,200.36 37.1,200.36 37.56,199.89 37.56,185.19 38.4,184.36 39.41,184.36 40.02,184.96 40.02,199.61 40.83,200.42 42.2,200.42 42.96,199.66 42.96,180.05 44.59,178.42 82.72,178.42 83.37,179.07 83.37,180.53 82.77,181.13 45.25,181.13 44.49,181.89 44.49,183.21 45.48,184.2 82.77,184.2 83.22,184.65 83.22,186.21 82.88,186.56 46.92,186.56 45.11,188.37 45.11,198.97 46.1,199.96 94.67,199.96 95.66,200.94 128.75,200.94 129.87,199.83 167.76,199.83 170.29,202.36 176.03,202.36 176.76,203.09 178.02,203.09 v1(178.5,203.56)
D11902: length 833.7
  TOP w0.086: v1(241.28,209.15) 240.83,208.7 240.83,203.34 244.55,199.62 244.55,197.86 244.63,197.78 SITE3.126
  L07_SIGNAL w0.071: D119.02 165,60.86 165,61.3 164.45,61.85 154.82,61.85 148.74,67.93 148.74,102.44 155.24,108.94 155.24,132.16 169.97,146.89 169.97,182.53 176.56,189.12 178.03,189.12 v1(178.5,189.59)
  L30_SIGNAL w0.071: v1(241.28,209.15) 240.81,208.68 240.81,207.15 239.96,206.3 236.51,206.3 232.99,209.83 213.75,209.83 212.1,208.19 174.53,208.19 167.92,201.57 31.31,201.57 29.85,200.11 29.85,140.7 30.48,140.07 31.24,140.07 31.79,140.62 31.79,198.71 32.97,199.88 34.57,199.88 35.1,199.35 35.1,140.84 35.64,140.3 36.68,140.3 37.33,140.96 37.33,178 37.94,178.61 39.82,178.61 40.35,178.08 40.35,141.21 40.75,140.82 41.87,140.82 42.37,141.32 42.37,165.3 44.24,167.16 105.05,167.16 107.51,169.63 153.12,169.63 154.46,168.29 162.98,168.29 166.32,171.63 168.84,171.63 173.97,176.76 173.97,186.89 175.1,188.02 175.89,188.02 177,189.12 178.03,189.12 v1(178.5,189.59)
D11903: length 833.7
  TOP w0.086: v1(247.79,209.15) 248.31,208.63 248.31,197.86 248.23,197.78 SITE3.117
  L07_SIGNAL w0.071: D119.03 163.86,54.64 163,54.64 162.53,54.18 162.53,48.95 160.02,46.44 150.92,46.44 145.19,52.17 145.19,176.48 167.46,198.75 178.18,198.75 179.76,200.33 179.76,202.57 179.44,202.89 178.97,202.89 v1(178.5,202.42)
  L30_SIGNAL w0.071: v1(178.5,202.42) 178.03,202.89 176.84,202.89 176.11,202.16 170.37,202.16 167.84,199.63 129.79,199.63 128.67,200.75 95.74,200.75 94.76,199.76 46.18,199.76 45.3,198.89 45.3,188.45 47,186.76 82.96,186.76 83.42,186.3 83.42,184.57 82.85,184.01 45.56,184.01 44.69,183.13 44.69,181.97 45.33,181.33 82.85,181.33 83.57,180.61 83.57,178.99 82.8,178.22 44.51,178.22 42.76,179.97 42.76,199.58 42.11,200.22 40.91,200.22 40.21,199.53 40.21,184.88 39.49,184.16 38.31,184.16 37.36,185.11 37.36,199.81 37.02,200.16 36.32,200.16 35.91,199.75 35.91,185.08 44.92,176.07 82.13,176.07 86.29,180.23 105.47,180.23 107.08,181.84 148.27,181.84 160.89,194.46 217.98,194.46 220.39,196.87 224.43,196.87 226.41,194.88 241.42,194.88 248.26,201.72 248.26,208.68 v1(247.79,209.15)
D11904: length 833.7
  TOP w0.086: SITE3.127 244.23,197.78 244.31,197.86 244.31,199.52 240.59,203.24 240.59,208.7 v1(240.14,209.15)
  L07_SIGNAL w0.071: v1(178.5,188.45) 178.03,188.92 176.64,188.92 170.17,182.45 170.17,146.81 155.44,132.08 155.44,108.86 148.94,102.36 148.94,68.01 154.9,62.05 164.53,62.05 165.2,61.38 165.2,60.86 D119.04
  L30_SIGNAL w0.071: v1(178.5,188.45) 178.02,188.92 177.08,188.92 175.98,187.82 175.18,187.82 174.16,186.8 174.16,176.68 168.92,171.43 166.4,171.43 163.06,168.09 154.37,168.09 153.04,169.43 107.6,169.43 105.13,166.96 44.32,166.96 42.57,165.21 42.57,141.23 41.95,140.62 40.67,140.62 40.15,141.13 40.15,177.99 39.74,178.41 38.02,178.41 37.53,177.92 37.53,140.87 36.76,140.1 35.55,140.1 34.9,140.76 34.9,199.27 34.49,199.68 33.05,199.68 31.99,198.62 31.99,140.54 31.33,139.87 30.4,139.87 29.65,140.62 29.65,200.19 31.23,201.77 167.84,201.77 174.45,208.38 212.02,208.38 213.66,210.03 233.07,210.03 236.6,206.5 239.88,206.5 240.61,207.23 240.61,208.68 v1(240.14,209.15)
D11905: length 833.7
  TOP w0.086: SITE3.120 247.03,197.78 246.95,197.86 246.95,202.28 246.61,202.62 246.61,210.41 v1(247.07,210.87)
  L07_SIGNAL w0.071: v1(164.91,203.56) 165.38,203.09 166.07,203.09 166.39,202.77 166.39,198.61 141.42,173.65 141.42,53.7 151.08,44.04 170.83,44.04 172.62,45.84 172.62,53.44 D119.05
  L30_SIGNAL w0.071: v1(247.07,210.87) 246.6,211.34 246.6,211.94 241.91,216.63 217.62,216.63 213.19,212.19 157.05,212.19 148.74,203.88 24.29,203.88 19.4,198.99 19.4,139.72 20.07,139.05 21.77,139.05 22.38,139.67 22.38,192.12 23.14,192.88 23.86,192.88 24.75,192 24.75,147.27 25.19,146.83 27.01,146.83 27.39,147.22 27.39,201.04 28.88,202.52 150.72,202.52 156.58,208.38 168.37,208.38 169.42,207.34 169.42,205.82 166.68,203.09 165.38,203.09 v1(164.91,203.56)
D11906: length 833.7
  TOP w0.086: SITE3.114 249.43,197.78 249.35,197.86 249.35,207.06 250.46,208.18 250.46,210.4 v1(250.93,210.87)
  L07_SIGNAL w0.071: D119.06 175.14,60.84 175.14,61.76 174.42,62.48 156.56,62.48 151.78,67.26 151.78,102.36 157.96,108.54 157.96,126.86 166.49,135.39 166.49,137.75 167.7,138.96 168.4,138.96 171.06,141.62 171.06,179.9 180.28,189.12 181.2,189.12 v1(181.67,189.59)
  L30_SIGNAL w0.071: v1(181.67,189.59) 181.21,189.12 180.25,189.12 178.94,190.43 175.23,190.43 172.87,188.07 167.34,188.07 165.49,186.22 156.84,186.22 156.24,185.61 156.24,183.87 156.82,183.29 166.23,183.29 166.81,182.7 166.81,180.98 165.9,180.07 130.94,180.07 130.29,179.42 130.29,178.55 130.95,177.89 163.56,177.89 164.22,177.23 164.22,176.57 163.6,175.95 131.15,175.95 130.1,174.91 130.1,173.9 130.86,173.14 164.44,173.14 165.31,174.02 168.46,174.02 168.76,173.72 168.76,173.04 168.28,172.56 166.12,172.56 165.02,171.46 130.64,171.46 129.1,173 95.68,173 91.82,169.14 43.72,169.14 43.06,169.8 43.06,170.81 43.64,171.39 92.24,171.39 92.95,172.1 92.95,172.93 92.52,173.36 48.92,173.36 48.67,173.6 48.67,174.09 48.91,174.32 82.23,174.32 86.68,178.77 106.07,178.77 107.99,180.7 148.8,180.7 160.42,192.32 201.66,192.32 212.99,180.98 222.16,180.98 225.51,184.34 232.18,184.34 233.41,185.56 233.41,190.02 235.73,192.35 241.19,192.35 250.46,201.62 250.46,210.4 v1(250.93,210.87)
D11907: length 833.7
  TOP w0.086: SITE3.121 246.63,197.78 246.71,197.86 246.71,202.19 246.38,202.52 246.38,210.42 v1(245.93,210.87)
  L07_SIGNAL w0.071: v1(164.91,202.42) 165.38,202.89 165.99,202.89 166.19,202.69 166.19,198.69 141.23,173.73 141.23,53.62 151,43.84 170.91,43.84 172.82,45.76 172.82,53.44 D119.07
  L30_SIGNAL w0.071: v1(164.91,202.42) 165.38,202.89 166.76,202.89 169.61,205.74 169.61,207.42 168.46,208.58 156.5,208.58 150.64,202.72 28.8,202.72 27.2,201.12 27.2,147.3 26.93,147.03 25.27,147.03 24.95,147.36 24.95,192.08 23.94,193.08 23.06,193.08 22.18,192.21 22.18,139.75 21.68,139.25 20.15,139.25 19.6,139.8 19.6,198.9 24.38,203.68 148.82,203.68 157.14,211.99 213.27,211.99 217.71,216.43 241.83,216.43 246.4,211.86 246.4,211.34 v1(245.93,210.87)
D11908: length 833.7
  TOP w0.086: v1(249.79,210.87) 250.22,210.43 250.22,208.28 249.11,207.16 249.11,197.86 249.03,197.78 SITE3.115
  L07_SIGNAL w0.071: D119.08 175.34,60.88 175.34,61.84 174.5,62.68 156.64,62.68 151.98,67.34 151.98,102.28 158.16,108.46 158.16,126.78 166.69,135.31 166.69,137.67 167.79,138.76 168.48,138.76 171.26,141.54 171.26,179.81 180.37,188.92 181.2,188.92 v1(181.67,188.45)
  L30_SIGNAL w0.071: v1(249.79,210.87) 250.26,210.4 250.26,201.7 241.11,192.54 235.65,192.54 233.21,190.11 233.21,185.65 232.1,184.53 225.43,184.53 222.08,181.18 213.08,181.18 201.74,192.51 160.33,192.51 148.71,180.89 107.91,180.89 105.99,178.97 86.6,178.97 82.15,174.52 48.83,174.52 48.48,174.17 48.48,173.52 48.83,173.16 92.44,173.16 92.75,172.85 92.75,172.18 92.16,171.59 43.56,171.59 42.86,170.9 42.86,169.71 43.64,168.94 91.9,168.94 95.76,172.8 129.02,172.8 130.56,171.26 165.1,171.26 166.21,172.36 168.37,172.36 168.96,172.95 168.96,173.8 168.55,174.21 165.23,174.21 164.36,173.34 130.94,173.34 130.3,173.98 130.3,174.83 131.23,175.76 163.69,175.76 164.42,176.49 164.42,177.31 163.64,178.09 131.03,178.09 130.49,178.63 130.49,179.34 131.03,179.88 165.98,179.88 167.01,180.9 167.01,182.79 166.31,183.48 156.9,183.48 156.44,183.95 156.44,185.53 156.93,186.02 165.57,186.02 167.42,187.87 172.95,187.87 175.31,190.23 178.86,190.23 180.16,188.93 181.2,188.93 v1(181.67,188.45)
D11909: length 833.7
  TOP w0.086: v1(279.29,192.02) 278.8,192.51 269.46,192.51 267.46,190.51 264.06,190.51 263.98,190.43 SITE3.81
  L07_SIGNAL w0.071: v1(250.81,142.94) 250.33,142.47 250.33,141.84 248.85,140.35 248.85,137.45 208.13,96.73 208.13,53.31 202.8,47.98 184.31,47.98 183.01,49.28 183.01,53.41 181.62,54.8 181.42,54.8 D119.09
  L30_SIGNAL w0.071: v1(250.81,142.94) 250.33,142.46 250.33,141.49 250.71,141.11 252.76,141.11 255.37,143.72 255.37,145.48 254.2,146.65 231.46,146.65 220.08,158.03 206.14,158.03 204.59,156.49 204.59,153.59 202.94,151.94 201.15,151.94 200.33,152.76 200.33,173.09 199.62,173.8 197.91,173.8 197.13,173.02 197.13,152.61 196.47,151.94 195.1,151.94 194.11,152.92 194.11,179.29 192.46,180.94 184.2,180.94 183.37,180.12 183.37,172.79 186.67,169.49 186.67,159.4 181.01,153.74 97.96,153.74 97.58,153.36 97.58,152.2 98.21,151.57 138.7,151.57 139.97,150.3 139.97,139.38 133.27,132.68 112.7,132.68 111.59,133.79 111.59,136.46 112.62,137.5 114.43,137.5 116,139.06 116,145.32 114.01,147.31 96.74,147.31 95.79,148.26 95.79,155.21 97.12,156.55 166.54,156.55 176.39,166.39 176.39,170.49 179.4,173.51 179.4,182.62 181.03,184.24 194.95,184.24 208.48,170.71 208.48,165.94 209.15,165.26 217.72,165.26 233.05,149.94 250.85,149.94 254.66,153.75 254.66,175.15 256.1,176.59 256.1,190.97 261.53,196.41 271.91,196.41 275.48,192.84 277.24,192.84 279.47,190.61 280.88,190.61 281.3,191.03 281.3,191.99 280.8,192.49 279.76,192.49 v1(279.29,192.02)
D11910: length 833.7
  TOP w0.086: SITE3.87 263.98,192.83 264.06,192.91 264.57,192.91 269.88,198.23 275.83,198.23 v1(276.24,197.81)
  L07_SIGNAL w0.071: v1(178.5,176.13) 178.03,175.66 177.16,175.66 176.33,176.49 175.06,176.49 172.12,173.54 172.12,128.3 170.32,126.5 170.32,119.03 172.11,117.23 191.01,117.23 203.04,105.2 203.04,64.61 201.1,62.68 186.35,62.68 185.65,61.98 185.65,61.03 185.04,60.42 184.88,60.42 D119.10
  L30_SIGNAL w0.071: v1(178.5,176.13) 178.02,175.66 177.57,175.66 177.3,175.39 177.3,173.43 176.16,172.29 175.44,172.29 174.34,171.19 174.34,167.39 164.43,157.49 48.88,157.49 47.54,156.16 47.54,153.31 49.16,151.7 92.72,151.7 93.81,150.61 93.81,148.01 92.6,146.8 48.23,146.8 47.38,145.96 47.38,144.59 48.58,143.39 87.96,143.39 88.52,142.83 88.52,141.18 88,140.65 45.8,140.65 44.75,141.7 44.75,162.96 45.55,163.75 127.05,163.75 130.4,167.1 167.87,167.1 169.09,168.33 169.09,170.09 176.57,177.57 176.57,182.68 178.97,185.08 201.47,185.08 208.4,178.15 208.4,175.58 232.14,151.84 240.81,151.84 243.06,154.09 243.06,172.42 247.28,176.64 247.28,190.75 254.8,198.28 275.77,198.28 v1(276.24,197.81)
D11911: length 833.7
  TOP w0.086: v1(279.29,193.16) 278.88,192.75 269.36,192.75 267.37,190.75 264.06,190.75 263.98,190.83 SITE3.82
  L07_SIGNAL w0.071: D119.11 183.21,53.67 183.21,49.36 184.39,48.17 202.71,48.17 207.93,53.4 207.93,96.82 248.65,137.53 248.65,140.44 250.14,141.92 250.14,142.47 v1(249.66,142.94)
  L30_SIGNAL w0.071: v1(249.66,142.94) 250.13,142.47 250.13,141.41 250.63,140.91 252.84,140.91 255.56,143.63 255.56,145.56 254.28,146.85 231.54,146.85 220.16,158.23 206.06,158.23 204.4,156.57 204.4,153.67 202.86,152.14 201.24,152.14 200.53,152.85 200.53,173.18 199.71,174 197.83,174 196.94,173.11 196.94,152.69 196.38,152.14 195.18,152.14 194.31,153 194.31,179.37 192.55,181.14 184.12,181.14 183.18,180.2 183.18,172.71 186.48,169.41 186.48,159.49 180.93,153.94 97.88,153.94 97.38,153.44 97.38,152.12 98.13,151.37 138.62,151.37 139.77,150.22 139.77,139.46 133.18,132.88 112.78,132.88 111.79,133.87 111.79,136.38 112.7,137.3 114.51,137.3 116.19,138.98 116.19,145.4 114.09,147.51 96.83,147.51 95.99,148.34 95.99,155.13 97.2,156.35 166.62,156.35 176.59,166.31 176.59,170.41 179.6,173.42 179.6,182.53 181.11,184.04 194.87,184.04 208.28,170.63 208.28,165.85 209.07,165.06 217.64,165.06 232.96,149.74 250.93,149.74 254.86,153.67 254.86,175.07 256.3,176.51 256.3,190.89 261.62,196.21 271.83,196.21 275.4,192.64 277.15,192.64 279.39,190.41 280.96,190.41 281.5,190.95 281.5,192.08 280.89,192.69 279.76,192.69 v1(279.29,193.16)
D11912: length 833.7
  TOP w0.086: SITE3.88 263.98,193.23 264.06,193.15 264.47,193.15 269.78,198.47 275.76,198.47 v1(276.24,198.95)
  L07_SIGNAL w0.071: D119.12 185.85,60.53 185.85,61.9 186.43,62.48 201.19,62.48 203.24,64.53 203.24,105.28 191.09,117.43 172.2,117.43 170.51,119.12 170.51,126.42 172.31,128.22 172.31,173.46 175.15,176.29 176.25,176.29 177.08,175.46 178.03,175.46 v1(178.5,174.99)
  L30_SIGNAL w0.071: v1(276.24,198.95) 275.77,198.48 254.72,198.48 247.08,190.83 247.08,176.72 242.86,172.5 242.86,154.17 240.73,152.04 232.23,152.04 208.6,175.67 208.6,178.23 201.55,185.28 178.89,185.28 176.37,182.76 176.37,177.66 168.89,170.17 168.89,168.41 167.78,167.3 130.32,167.3 126.96,163.95 45.47,163.95 44.56,163.04 44.56,141.62 45.72,140.45 88.08,140.45 88.72,141.09 88.72,142.91 88.04,143.59 48.66,143.59 47.58,144.67 47.58,145.87 48.31,146.6 92.68,146.6 94,147.93 94,150.69 92.8,151.89 49.24,151.89 47.74,153.39 47.74,156.07 48.96,157.29 164.52,157.29 174.53,167.31 174.53,171.1 175.52,172.09 176.24,172.09 177.5,173.35 177.5,175.31 177.65,175.46 178.03,175.46 v1(178.5,174.99)
D11913: length 833.7
  TOP w0.086: SITE3.122 246.23,197.78 246.15,197.86 246.15,201.71 244.69,203.17 244.69,208.7 v1(245.14,209.15)
  L07_SIGNAL w0.071: D119.13 191.55,54.83 192.32,54.83 193.18,53.96 193.18,50.92 194.2,49.91 202.21,49.91 205.38,53.08 205.38,130.16 194.15,141.4 194.15,200.02 194.76,200.63 195.4,200.63 196.41,199.62 196.41,147.17 197.44,146.14 198.78,146.14 199.81,147.17 199.81,200.7 200.39,201.27 201.42,201.27 202.45,200.24 202.45,139.44 202.8,139.1 203.53,139.1 203.78,139.35 203.78,219.64 204.05,219.91 204.66,219.91 205.1,219.48 205.1,135.56 206.06,134.59 207.41,134.59 208.3,135.49 208.3,218.91 209.05,219.67 213.25,219.67 216.08,222.49 216.08,240.26 217.03,241.21 222.56,241.21 225.63,244.28 231.95,244.28 233.55,245.88 233.55,248.32 240.25,255.02 256.41,255.02 261.92,249.51 261.92,236.78 258.29,233.15 227.71,233.15 219.55,224.99 219.55,216.59 214.13,211.17 214.13,203.78 213.45,203.09 212.5,203.09 v1(212.03,203.56)
  L30_SIGNAL w0.071: v1(245.14,209.15) 244.67,208.68 244.67,203.75 238.51,197.59 228.67,197.59 221.58,204.68 211.38,204.68 211.11,204.41 211.11,203.41 211.43,203.09 211.55,203.09 v1(212.03,203.56)
